# Altium PCB PCB_3U_DDS.PcbDoc (part 6 of 12)
Units mil, origin at the board's own origin, x right, y up, seen from the top; angles counter-clockwise.
Board outline 6338.37 x 3937 mil, 6 copper layers (L1, P2, L3, L4, P5, L6), stack 64.885 mil thick; 954 components, 537 nets, 3358 pads, 2342 vias.
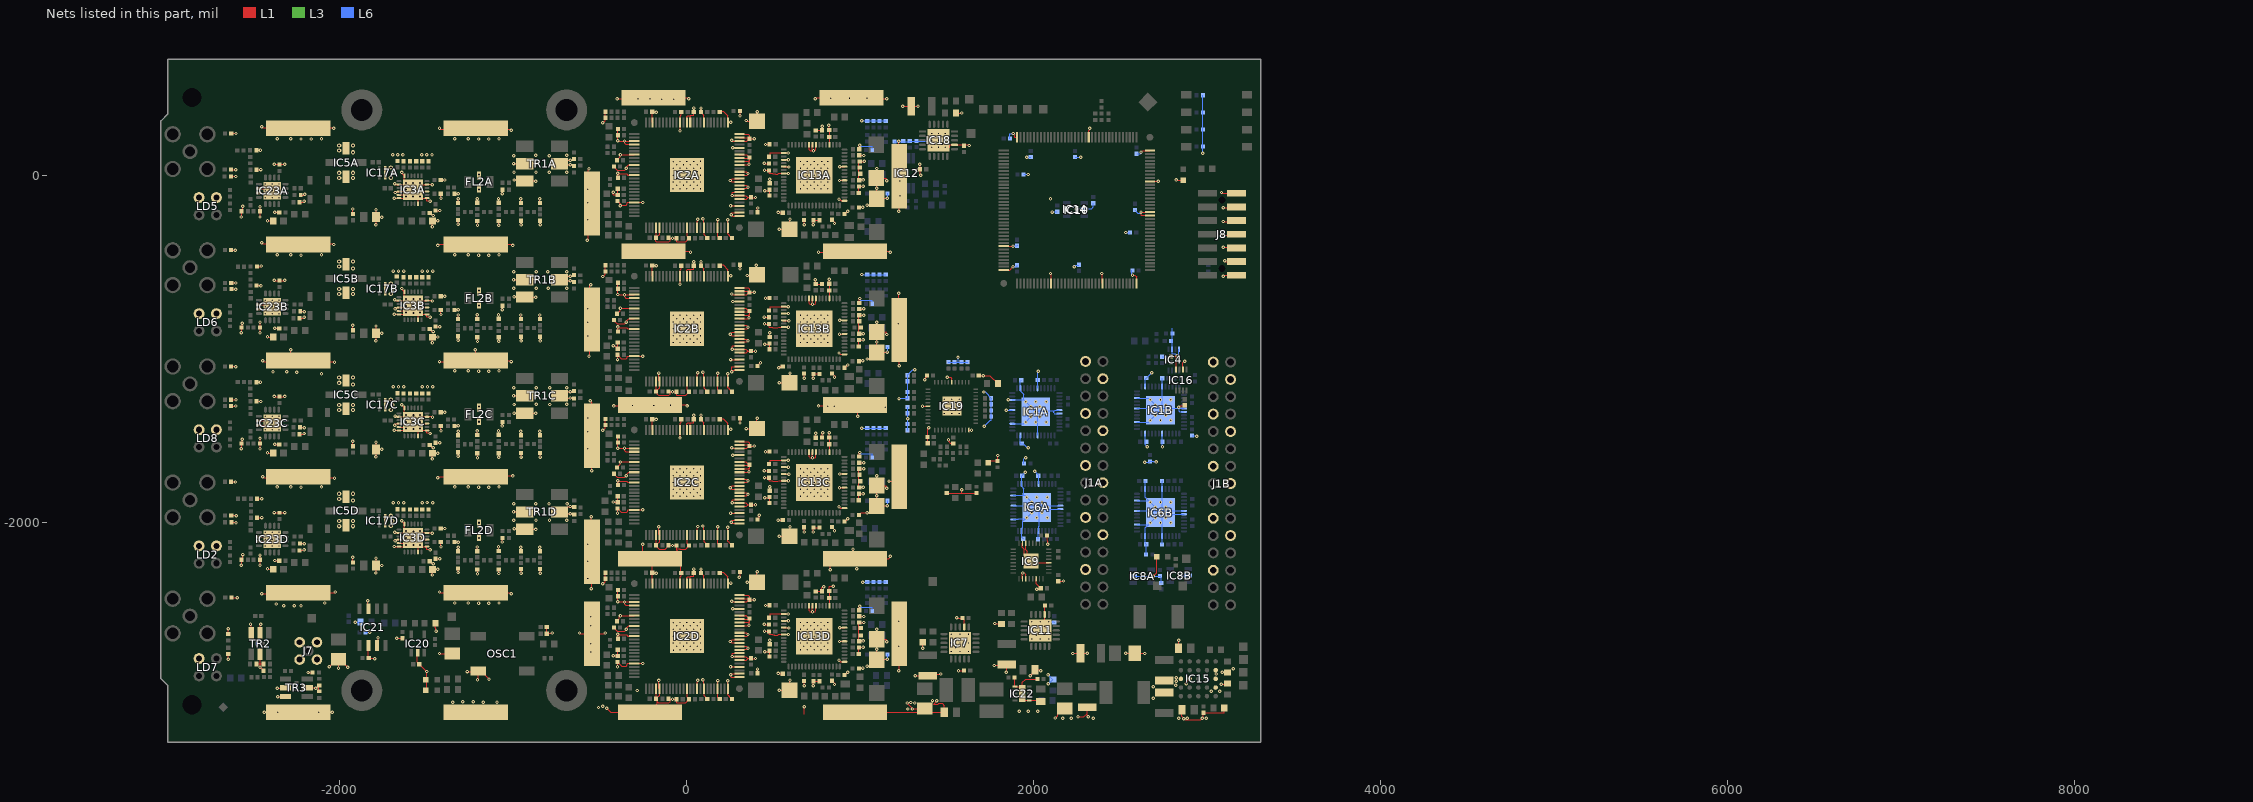
[diagram p10: the nets of this part, all layers, seen from the top]

## Via types
v1: diameter 19.68, hole 7.87, L1 to L6, tented both sides, 2254 vias
v2: diameter 23.62, hole 11.81, L1 to L6, tented both sides, 88 vias

## Nets (pads, with @x,y where several pads share a name; then routed paths per layer and width w, separated by ;. In a path a pad name is that pad's centre, name@x,y a point inside that pad or via, vN(x,y) a via of type N, cw(c..) or ccw(c..) an arc to the next point about the centre after c; other vN are vias at no path point) (continued)
GND: (continued)
  L1 w5.98: v1(-2643.7,-2791.44) C42.1@-2643.7,-2759.94 ; R6.1@-2643.7,-2644.98 v1(-2643.7,-2614.28) ; C25.1@-2628.08,32.22 -2602.13,32.22 v1(-2600.13,30.21) ; C35.2@-2627.41,-1767.79 -2603.13,-1767.79 v1(-2602.13,-1768.79) ; C33.2@-2627.41,-1294.79 -2600.13,-1294.79 v1(-2599.13,-1295.79) ; C34.1@-2627.41,-1102.79 -2601.13,-1102.79 -2600.63,-1103.29 -2600.13,-1103.79 v1(-2601.13,-1103.79) ; C31.2@-2627.41,-431.79 -2604.13,-431.79 v1(-2603.13,-432.79) ; R64.1@-2627.29,-7.15 -2600.76,-7.15 v1(-2600.13,-7.79) ; C32.1@-2626.84,-621.07 -2601.84,-621.07 v1(-2601.13,-621.79) ; R74.1@-2626.62,-1330.79 v1(-2601.13,-1330.79) ; C41.1@-2626.41,-1961.78 -2600.13,-1961.78 v1(-2598.13,-1963.79) ; C11.2@-2626.41,240.21 v1(-2599.13,240.21) ; R65.1@-2626.06,-656.5 -2601.41,-656.5 v1(-2600.13,-657.79) ; R75.1@-2625.62,-2001.15 -2600.76,-2001.15 v1(-2599.13,-2002.79) ; C37.2@-2625.41,-2434.79 -2592.13,-2434.79 v1(-2591.13,-2435.79) ; v1(-2568.89,-2249.12) -2566.73,-2246.95 R18D.1@-2566.73,-2219.59 ; v1(-2568.9,-1576.87) -2566.73,-1574.71 R18C.1@-2566.73,-1547.34 ; v1(-2568.9,-907.58) -2566.73,-905.42 R18B.1@-2566.73,-878.05 ; v1(-2568.89,-241.25) -2566.73,-239.08 R18A.1@-2566.73,-211.72 ; v1(-2562.01,-1522.74) -2562.01,-1546.56 R18C.1@-2561.22,-1547.35 ; v1(-2562.01,-853.45) -2562.01,-877.27 R18B.1@-2561.22,-878.06 ; R18D.1@-2561.22,-2219.59 -2562.01,-2218.81 -2559.06,-2215.86 v1(-2559.06,-2187.11) ; R18A.1@-2561.22,-211.72 -2562.01,-210.93 -2559.06,-207.98 v1(-2559.06,-179.24) ; v1(-2515.33,-2588.82) -2510.62,-2593.52 TR2.1@-2510.62,-2637.3 ; R4A.1@-2481.62,143.21 v1(-2458.13,143.21) ; C69.1@-2480.7,-2818.01 -2460.62,-2818.01 ; R4C.1@-2480.62,-1193.79 -2459.13,-1193.79 v1(-2458.13,-1194.79) ; R3C.1@-2479.62,-1303.79 -2460.13,-1303.79 -2459.13,-1304.79 v1(-2456.13,-1304.79) ; R3B.1@-2479.62,-636.79 -2478.62,-635.79 -2456.13,-635.79 v1(-2455.13,-636.79) ; R3A.1@-2479.62,31.21 -2478.62,32.21 v1(-2456.13,32.21) ; R4B.1@-2477.62,-526.79 -2457.13,-526.79 v1(-2454.13,-523.79) ; R3D.1@-2476.62,-1974.79 -2451.13,-1974.79 v1(-2450.13,-1973.79) ; R4D.1@-2476.62,-1865.79 v1(-2450.13,-1865.79) ; IC23D.11@-2467.38,-2110.91 -2429.98,-2110.91 -2403.4,-2110.91 v1(-2390.61,-2098.11) -2403.4,-2085.32 -2429.98,-2085.32 IC23D.10@-2467.38,-2085.32 ; IC23C.11@-2467.38,-1441.62 -2429.98,-1441.62 -2403.4,-1441.62 v1(-2390.61,-1428.82) -2403.4,-1416.03 -2429.98,-1416.03 IC23C.10@-2467.38,-1416.03 ; IC23B.11@-2467.38,-772.33 -2429.98,-772.33 IC23B.17@-2403.4,-772.33 ; IC23B.10@-2467.38,-746.74 -2429.98,-746.74 -2403.4,-746.74 v1(-2390.61,-759.53) ; IC23A.11@-2467.38,-103.03 -2429.98,-103.03 -2403.4,-103.03 v1(-2390.61,-90.24) -2403.4,-77.44 -2429.98,-77.44 IC23A.10@-2467.38,-77.44 ; TR2.5@-2460.62,-2762.5 -2460.62,-2818.01 ; TR2.2@-2460.62,-2637.3 -2460.62,-2593.17 v1(-2456.27,-2588.82) ; v1(-2460.63,-2249.12) -2460.63,-2216.64 -2460.63,-2199.51 v1(-2460.63,-2190.07) ; v1(-2460.63,-1576.87) R19C.1@-2460.63,-1547.34 -2460.63,-1527.26 v1(-2460.63,-1517.82) ; v1(-2460.63,-907.58) R19B.1@-2460.63,-878.05 v1(-2460.63,-848.53) ; v1(-2460.63,-241.25) -2460.63,-208.76 -2460.63,-191.63 v1(-2460.63,-182.19) ; v1(-2449.66,-2413.07) -2245.65,-2413.07 CLIP19.1@-2240.16,-2407.58 -2030.78,-2407.58 v1(-2026.43,-2403.23) ; v1(-2449.66,-389.87) -2444.17,-395.36 -2240.16,-395.36 -2040.63,-395.36 v1(-2036.27,-399.71) ; v1(-2449.66,279.43) -2444.17,273.93 -2240.16,273.93 -2040.63,273.93 v1(-2036.27,269.58) ; v1(-2444.64,-1738.29) -2439.15,-1743.78 CLIP16.1@-2362.2,-1743.78 ; v1(-2444.64,-1069) -2439.15,-1074.49 -2240.16,-1074.49 -2035.61,-1074.49 v1(-2031.26,-1078.84) ; C80.2@-2440.54,-2818.01 -2460.62,-2818.01 ; R81.1@-2439.76,-2857.38 v1(-2460.62,-2836.51) -2460.62,-2818.01 ; v1(-2417.32,-2269.79) -2415.36,-2271.75 C39D.1@-2383.86,-2271.75 ; v1(-2417.32,-1600.5) -2415.36,-1602.46 C39C.1@-2383.86,-1602.46 ; v1(-2417.32,-931.2) -2415.36,-933.17 C39B.1@-2383.86,-933.17 ; v1(-2417.32,-261.91) -2415.36,-263.88 C39A.1@-2383.86,-263.88 ; v1(-2377.95,-1944.98) -2376.77,-1946.17 R138D.1@-2348.43,-1946.17 -2320.08,-1946.17 v1(-2318.9,-1944.98) ; v1(-2377.95,-1275.69) -2376.77,-1276.87 R138C.1@-2348.43,-1276.87 -2320.08,-1276.87 v1(-2318.9,-1275.69) ; v1(-2377.95,-606.4) -2376.77,-607.58 R138B.1@-2348.43,-607.58 -2320.08,-607.58 v1(-2318.9,-606.4) ; v1(-2377.95,62.89) -2376.77,61.71 R138A.1@-2348.43,61.71 -2320.08,61.71 v1(-2318.9,62.89) ; v1(-2375.01,-2221.56) -2375.99,-2222.54 -2375.01,-2222.54 C40D.1@-2349.41,-2222.54 ; v1(-2375.01,-1552.27) -2375.99,-1553.25 -2375.01,-1553.25 C40C.1@-2349.41,-1553.25 ; v1(-2375.01,-882.98) -2375.99,-883.96 -2375.01,-883.96 C40B.1@-2349.41,-883.96 ; v1(-2375.01,-213.69) -2375.99,-214.67 -2375.01,-214.67 C40A.1@-2349.41,-214.67 ; v1(-2360.61,-2957.24) -2315.6,-2957.24 TR3.2@-2312.99,-2954.63 ; v1(-2358.61,-3006.24) -2314.6,-3006.24 TR3.1@-2312.99,-3004.63 ; v1(-2283.46,-1006.01) -2283.46,-1025.69 CLIP24.1@-2240.16,-1069 ; C38D.2@-2232.28,-2163.48 v1@-2210.68,-2163.48 ; C38C.2@-2232.28,-1494.19 v1@-2210.68,-1494.19 ; C38B.2@-2232.28,-824.9 v1@-2210.68,-824.9 ; C38A.2@-2232.28,-155.61 v1@-2210.68,-155.61 ; R20D.1@-2230.37,-2122.92 -2207.89,-2122.92 v1(-2205.71,-2125.1) ; R20C.1@-2230.37,-1453.63 -2207.89,-1453.63 v1(-2205.71,-1455.81) ; R20B.1@-2230.37,-784.33 -2228.62,-784.33 -2207.89,-784.33 v1(-2205.71,-786.52) ; R20A.1@-2230.37,-115.04 -2225.62,-115.04 -2206.38,-115.04 v1(-2202.13,-110.79) ; TR3.5@-2187.8,-2954.63 -2142.63,-2954.63 v1(-2139.82,-2957.44) -2123.03,-2940.65 -2122.44,-2941.24 -2122.44,-2941.53 C191.1@-2122.44,-2974.71 ; v1(-2183.61,-2867.24) R45.1@-2158.27,-2867.23 ; CLIP16.1@-2106.3,-1743.78 -2035.61,-1743.78 v1(-2031.26,-1748.13) ; v1(-2061.13,-2834.79) -2047.13,-2820.79 -2047.13,-2816.79 -2033.22,-2816.79 C155.2@-2007.87,-2791.44 ; v1(-2008.13,-2842.79) -2007.87,-2842.54 C155.2@-2007.87,-2791.44 ; v1(-1954.13,-2837.79) -2000.47,-2791.44 C155.2@-2007.87,-2791.44 ; v1(-1926.18,-2202.86) -1926.18,-2231.4 C27D.1@-1925.2,-2232.39 ; v1(-1926.18,-1533.57) -1926.18,-1562.11 C27C.1@-1925.2,-1563.09 ; v1(-1926.18,-864.28) -1926.18,-892.82 C27B.1@-1925.2,-893.8 ; v1(-1926.18,-194.98) -1926.18,-223.53 C27A.1@-1925.2,-224.51 ; v1(-1839.42,-2452.44) -1839.42,-2495.29 IC21.3@-1836.02,-2498.69 ; IC21.6@-1836.02,-2711.28 -1836.02,-2781.21 C174.1@-1833.67,-2783.57 -1803.58,-2783.57 v1(-1800.05,-2787.09) ; v1(-1792.32,-2293.41) -1788.39,-2289.47 -1791.34,-2286.52 C12D.1@-1791.34,-2250.1 ; v1(-1792.32,-1624.12) -1788.39,-1620.18 -1791.34,-1617.23 C12C.1@-1791.34,-1580.81 ; v1(-1792.32,-954.83) -1788.39,-950.89 -1791.34,-947.94 C12B.1@-1791.34,-911.52 ; v1(-1792.32,-285.54) -1788.39,-281.6 -1791.34,-278.65 C12A.1@-1791.34,-242.23 ; v1(-1791.83,-2208.27) -1794.29,-2210.73 -1791.34,-2213.69 C12D.1@-1791.34,-2250.1 ; v1(-1791.83,-1538.98) -1794.29,-1541.44 -1791.34,-1544.39 C12C.1@-1791.34,-1580.81 ; v1(-1791.83,-869.69) -1794.29,-872.15 -1791.34,-875.1 C12B.1@-1791.34,-911.52 ; v1(-1791.83,-200.4) -1794.29,-202.86 -1791.34,-205.81 C12A.1@-1791.34,-242.23 ; IC21.7@-1786.02,-2711.28 -1780.37,-2705.63 v1(-1780.37,-2666.01) ; v1(-1757.87,-2250.1) C12D.1@-1791.34,-2250.1 ; v1(-1757.87,-1580.81) C12C.1@-1791.34,-1580.81 ; v1(-1757.87,-911.52) C12B.1@-1791.34,-911.52 ; v1(-1757.87,-242.23) C12A.1@-1791.34,-242.23 ; v1@-1688.58,-2105.81 v1@-1687.99,-2106.4 ; v1@-1688.13,-2059.79 -1687.13,-2060.79 -1685.8,-2062.11 -1684.13,-2062.11 IC3D.14@-1659.45,-2062.11 -1637.31,-2062.11 ; v1(-1687.01,-2140.85) IC3D.18@-1659.45,-2140.85 -1627.95,-2140.85 v2(-1618.11,-2131.01) IC3D.25@-1608.27,-2121.17 ; v1(-1687.01,-1471.56) IC3C.18@-1659.45,-1471.56 -1627.95,-1471.56 v2(-1618.11,-1461.72) IC3C.25@-1608.27,-1451.87 ; v1(-1687.01,-802.27) IC3B.18@-1659.45,-802.27 -1627.95,-802.27 v2(-1618.11,-792.43) IC3B.25@-1608.27,-782.58 ; v1(-1687.01,-132.98) IC3A.18@-1659.45,-132.98 -1627.95,-132.98 v2(-1618.11,-123.13) IC3A.25@-1608.27,-113.29 ; v1@-1686.85,-1438.26 -1683.32,-1441.79 v1(-1683.13,-1441.79) -1683.13,-1436.24 -1685.13,-1434.24 -1684.06,-1433.17 -1683.13,-1433.17 -1660.43,-1433.17 IC3C.16@-1659.45,-1432.19 -1618.11,-1432.19 IC3C.25@-1588.58,-1432.19 ; v1(-1683.13,-717.79) -1677.39,-723.53 IC3B.14@-1659.45,-723.53 -1637.31,-723.53 ; v1(-1683.13,-48.79) -1677.68,-54.24 IC3A.14@-1659.45,-54.24 -1637.31,-54.24 ; v1(-1682.13,-2107.79) -1686.61,-2107.79 v1@-1687.99,-2106.4 ; v1(-1682.13,-1388.79) -1682.4,-1388.79 -1682.26,-1388.65 -1679.26,-1385.65 -1679.13,-1385.79 -1677.13,-1387.79 -1677.13,-1388.79 -1677.13,-1392.82 IC3C.14@-1659.45,-1392.82 -1637.31,-1392.82 ; v1(-1682.13,-770.79) -1684.67,-770.79 -1686.67,-768.79 -1686.85,-768.96 -1687.99,-767.82 -1686.54,-766.37 -1684.06,-763.88 -1682.13,-763.88 -1660.43,-763.88 IC3B.16@-1659.45,-762.9 -1618.11,-762.9 IC3B.25@-1588.58,-762.9 ; v1(-1681.13,-99.79) -1682.96,-99.79 -1684.96,-97.79 -1686.85,-99.67 -1687.99,-98.53 -1685.19,-95.72 -1684.06,-94.59 -1681.13,-94.59 -1660.43,-94.59 IC3A.16@-1659.45,-93.61 -1618.11,-93.61 IC3A.25@-1588.58,-93.61 ; v1(-1672.1,-2668.98) -1671.69,-2669.39 C173.1@-1638.57,-2669.39 ; IC3D.17@-1659.45,-2121.17 -1618.11,-2121.17 IC3D.25@-1608.27,-2121.17 ; IC3C.17@-1659.45,-1451.87 -1618.11,-1451.87 IC3C.25@-1608.27,-1451.87 ; IC3B.17@-1659.45,-782.58 -1618.11,-782.58 IC3B.25@-1608.27,-782.58 ; IC3A.17@-1659.45,-113.29 -1618.11,-113.29 IC3A.25@-1608.27,-113.29 ; v1(-1642.72,-1992.23) -1642.72,-1996.17 IC3D.12@-1627.95,-2010.93 -1627.95,-2042.43 v2(-1618.11,-2052.27) IC3D.25@-1578.74,-2091.64 IC3D.25@-1577.75,-2092.63 ; v1(-1642.72,-1322.94) -1642.72,-1326.87 IC3C.12@-1627.95,-1341.64 -1627.95,-1373.13 v2(-1618.11,-1382.98) IC3C.25@-1578.74,-1422.35 IC3C.25@-1577.74,-1423.34 ; v1(-1642.72,-653.65) -1642.72,-657.58 IC3B.12@-1627.95,-672.35 -1627.95,-703.84 v2(-1618.11,-713.69) IC3B.25@-1578.74,-753.06 IC3B.25@-1577.74,-754.05 ; v1(-1642.72,15.65) -1642.72,11.71 IC3A.12@-1627.95,-3.06 -1627.95,-34.55 v2(-1618.11,-44.39) v2(-1578.74,-83.76) ; IC20.2@-1551.18,-2753.19 -1553.99,-2756 -1553.99,-2807.13 C171.1@-1542.12,-2819 v1(-1499.8,-2861.32) -1499.8,-2909.55 LD1.1@-1499.8,-2964.46 ; IC3D.23@-1549.21,-2172.35 -1549.21,-2131.01 -1549.21,-2121.17 -1574.81,-2095.57 v2(-1574.81,-2092.63) ; IC3C.23@-1549.21,-1503.06 -1549.21,-1461.72 -1549.21,-1451.87 -1574.81,-1426.28 v2(-1574.81,-1423.34) ; IC3B.23@-1549.21,-833.76 -1549.21,-792.43 -1549.21,-782.58 -1574.81,-756.99 v2(-1574.81,-754.05) ; IC3A.23@-1549.21,-164.47 -1549.21,-123.13 -1549.21,-113.29 v2(-1578.74,-83.76) ; -1520.17,-2140.85 IC3D.1@-1498.03,-2140.85 -1498.03,-2155.12 -1483.77,-2155.12 v1(-1480.32,-2158.57) ; -1520.17,-2101.48 IC3D.3@-1498.03,-2101.48 ; -1520.17,-1471.56 IC3C.1@-1498.03,-1471.56 -1498.03,-1485.83 -1483.77,-1485.83 v1(-1480.32,-1489.28) ; -1520.17,-1432.19 IC3C.3@-1498.03,-1432.19 ; -1520.17,-802.27 IC3B.1@-1498.03,-802.27 -1498.03,-816.53 -1483.77,-816.53 v1(-1480.32,-819.98) ; -1520.17,-762.9 IC3B.3@-1498.03,-762.9 ; -1520.17,-132.98 IC3A.1@-1498.03,-132.98 -1498.03,-147.24 -1483.77,-147.24 v1(-1480.32,-150.69) ; -1520.17,-93.61 IC3A.3@-1498.03,-93.61 ; C23D.1@-1482.28,-2225.5 -1481.3,-2225.5 v1@-1466.54,-2240.26 ; C23C.1@-1482.28,-1556.2 -1481.3,-1556.2 v1@-1466.54,-1570.97 ; C23B.1@-1482.28,-886.91 -1481.3,-886.91 v1@-1466.54,-901.68 ; C23A.1@-1482.28,-217.62 -1481.3,-217.62 v1@-1466.54,-232.39 ; v1(-1466.83,-2063.57) -1470.3,-2067.04 -1471.13,-2067.04 -1468.33,-2064.25 -1472.44,-2060.14 -1496.06,-2060.14 IC3D.5@-1498.03,-2062.11 -1539.37,-2062.11 -1549.21,-2062.11 -1574.81,-2087.71 -1574.81,-2091.64 v2(-1574.81,-2092.63) ; v1(-1466.83,-55.69) -1467.65,-55.69 -1468.33,-56.38 -1472.44,-52.27 -1496.06,-52.27 IC3A.5@-1498.03,-54.24 -1539.37,-54.24 -1549.21,-54.24 v2(-1578.74,-83.76) ; v1(-1466.57,-725.24) -1466.57,-725.01 -1467.13,-724.46 -1467.24,-724.57 -1468.33,-725.67 -1472.44,-721.56 -1496.06,-721.56 IC3B.5@-1498.03,-723.53 -1539.37,-723.53 -1549.21,-723.53 -1574.81,-749.12 -1574.81,-753.06 v2(-1574.81,-754.05) ; v1(-1466.54,-2305.22) C21D.1@-1466.54,-2272.74 -1465.55,-2271.76 v1(-1435.04,-2271.76) ; v1(-1466.54,-1635.93) C21C.1@-1466.54,-1603.45 -1465.55,-1602.46 v1(-1435.04,-1602.46) ; v1(-1466.54,-966.64) C21B.1@-1466.54,-934.16 -1465.55,-933.17 v1(-1435.04,-933.17) ; v1(-1466.54,-297.35) C21A.1@-1466.54,-264.87 -1465.55,-263.88 v1(-1435.04,-263.88) ; v1(-1466.13,-1394.79) -1467.14,-1394.79 -1467.65,-1394.28 -1468.33,-1394.96 -1472.44,-1390.85 -1496.06,-1390.85 IC3C.5@-1498.03,-1392.82 -1539.37,-1392.82 -1549.21,-1392.82 -1574.81,-1418.42 -1574.81,-1422.35 v2(-1574.81,-1423.34) ; v1@-1464.51,-2242.28 v1@-1466.54,-2240.26 ; v1@-1464.51,-1572.99 v1@-1466.54,-1570.97 ; v1@-1464.51,-903.7 v1@-1466.54,-901.68 ; v1@-1464.51,-234.41 v1@-1466.54,-232.39 ; v1(-1461.61,-2240.26) v1@-1466.54,-2240.26 ; v1(-1461.61,-1570.97) v1@-1466.54,-1570.97 ; v1(-1461.61,-901.68) v1@-1466.54,-901.68 ; v1(-1461.61,-232.39) v1@-1466.54,-232.39 ; R132.1@-1449.6,-2582.78 -1449.6,-2610.34 -1447.63,-2612.31 -1447.63,-2627.7 v1(-1445.72,-2629.61) ; C22D.1@-1448.82,-2211.72 v1(-1424.21,-2211.72) ; C22C.1@-1448.82,-1542.43 v1(-1424.21,-1542.43) ; C22B.1@-1448.82,-873.13 v1(-1424.21,-873.13) ; C22A.1@-1448.82,-203.84 v1(-1424.21,-203.84) ; v1(-1435.88,-1743.78) -1430.39,-1738.29 CLIP17.1@-1216.54,-1738.29 -1212.19,-1733.94 v1(-1002.81,-1733.94) ; v1(-1435.88,-405.2) -1430.39,-399.71 CLIP22.1@-1216.54,-399.71 -1008.3,-399.71 v1(-1002.81,-405.2) ; v1(-1426.04,-2757.56) -1425.62,-2757.98 C79.2@-1353.14,-2757.98 ; v1(-1426.04,-2403.23) -1421.69,-2407.58 CLIP8.1@-1216.54,-2407.58 -1018.14,-2407.58 v1(-1012.65,-2413.07) ; v1(-1426.04,-1074.49) CLIP25.1@-1222.03,-1074.49 ; v1(-1426.04,269.58) -1420.55,264.09 -1216.54,264.09 -1017,264.09 v1(-1012.65,259.74) ; C24D.1@-1419.29,-2115.26 -1417.32,-2117.23 v1(-1417.32,-2141.83) ; C14D.1@-1419.29,-2036.52 -1396.39,-2036.52 v1(-1396.13,-2036.79) ; C24C.1@-1419.29,-1445.97 -1417.32,-1447.94 v1(-1417.32,-1472.54) ; C14C.1@-1419.29,-1367.23 -1395.57,-1367.23 v1(-1395.13,-1366.79) ; C24B.1@-1419.29,-776.68 -1417.32,-778.65 v1(-1417.32,-803.25) ; C14B.1@-1419.29,-697.94 -1396.28,-697.94 v1(-1396.13,-697.79) ; C24A.1@-1419.29,-107.39 -1417.32,-109.35 v1(-1417.32,-133.96) ; C14A.1@-1419.29,-28.65 -1396.98,-28.65 v1(-1396.13,-27.79) ; R58D.2@-1339.76,-2115.26 -1339.24,-2115.79 v1(-1317.13,-2115.79) ; R58C.2@-1339.76,-1445.97 -1338.58,-1444.79 v1(-1317.13,-1444.79) ; R58B.2@-1339.76,-776.68 -1338.87,-775.79 v1(-1317.13,-775.79) ; R58A.2@-1339.76,-107.39 -1339.17,-106.79 v1(-1317.13,-106.79) ; v1(-1318.9,-2290.46) C202D.2@-1318.9,-2266.83 ; C207D.1@-1318.9,-2168.41 -1318.9,-2145.77 v1(-1317.91,-2144.79) ; v1(-1318.9,-1621.17) C202C.2@-1318.9,-1597.54 ; C207C.1@-1318.9,-1499.12 -1318.9,-1476.48 v1(-1317.91,-1475.5) ; v1(-1318.9,-951.87) C202B.2@-1318.9,-928.25 ; C207B.1@-1318.9,-829.83 -1318.9,-807.19 v1(-1317.91,-806.2) ; v1(-1318.9,-282.58) C202A.2@-1318.9,-258.96 ; C207A.1@-1318.9,-160.54 -1318.9,-137.9 v1(-1317.91,-136.91) ; v1(-1265.49,-2861.58) -1206.56,-2861.58 OSC1.2@-1202.95,-2857.98 ; v1(-1220.47,-1006.01) -1216.54,-1009.94 CLIP25.1@-1216.54,-1069 -1018.14,-1069 v1(-1012.65,-1074.49) ; v1(-1208.66,-2143.8) -1208.66,-2166.44 C180D.2@-1207.67,-2167.43 ; v1(-1208.66,-1474.51) -1208.66,-1497.15 C180C.2@-1207.67,-1498.14 ; v1(-1208.66,-805.22) -1208.66,-827.86 C180B.2@-1207.67,-828.84 ; v1(-1208.66,-135.93) -1208.66,-158.57 C180A.2@-1207.67,-159.55 ; C206D.1@-1207.67,-2272.74 -1206.69,-2273.72 v1(-1206.69,-2297.35) ; C206C.1@-1207.67,-1603.45 -1206.69,-1604.43 v1(-1206.69,-1628.06) ; C206B.1@-1207.67,-934.16 -1206.69,-935.14 v1(-1206.69,-958.76) ; C206A.1@-1207.67,-264.87 -1206.69,-265.85 v1(-1206.69,-289.47) ; v1(-1206.69,-2909.55) -1202.95,-2905.81 OSC1.2@-1202.95,-2857.98 ; v1@-1144.52,-2901.28 -1187.83,-2857.98 OSC1.2@-1202.95,-2857.98 ; C205D.1@-1085.63,-2165.46 v1(-1085.63,-2142.82) ; C205C.1@-1085.63,-1496.16 v1(-1085.63,-1473.53) ; C205B.1@-1085.63,-826.87 v1(-1085.63,-804.24) ; C205A.1@-1085.63,-157.58 v1(-1085.63,-134.94) ; v1(-1083.66,-2296.37) C176D.2@-1083.66,-2273.73 ; v1(-1083.66,-1627.08) C176C.2@-1083.66,-1604.44 ; v1(-1083.66,-957.78) C176B.2@-1083.66,-935.15 ; v1(-1083.66,-288.49) C176A.2@-1083.66,-265.86 ; v1(-1063.13,-2114.79) -1062.76,-2114.42 R57D.2@-1062.76,-2091.56 ; v1(-1063.13,-1445.79) -1062.76,-1445.42 R57C.2@-1062.76,-1422.27 ; v1(-1063.13,-776.79) -1062.76,-776.42 R57B.2@-1062.76,-752.98 ; v1(-1063.13,-106.79) -1062.76,-106.42 R57A.2@-1062.76,-83.69 ; v1(-999.02,-1941.05) -998.5,-1941.56 TR1D.2@-934.25,-1941.56 -932.76,-1940.06 v1(-869.09,-1940.06) ; v1(-999.02,-1271.76) -998.5,-1272.27 TR1C.2@-934.25,-1272.27 -932.76,-1270.77 v1(-869.09,-1270.77) ; v1(-999.02,-602.46) -998.5,-602.98 TR1B.2@-934.25,-602.98 -932.76,-601.48 v1(-869.09,-601.48) ; v1(-999.02,66.83) -998.5,66.31 TR1A.2@-934.25,66.31 -932.76,67.81 v1(-869.09,67.81) ; v1(-996.13,-1372.79) -937.43,-1372.79 -936.1,-1374.12 TR1C.3@-934.25,-1372.27 -871.93,-1372.27 v1(-871.06,-1373.13) ; v1(-996.13,-700.79) -940.14,-700.79 -936.1,-704.83 TR1B.3@-934.25,-702.98 -871.93,-702.98 v1(-871.06,-703.84) ; v1(-996.13,-27.79) -943.85,-27.79 -936.1,-35.54 TR1A.3@-934.25,-33.69 -871.93,-33.69 v1(-871.06,-34.55) ; v1(-995.97,-2037.44) -942.07,-2037.44 -936.1,-2043.41 TR1D.3@-934.25,-2041.56 -871.93,-2041.56 v1(-871.06,-2042.43) ; C172D.2@-957.68,-2167.42 v1(-957.68,-2144.79) ; C172C.2@-957.68,-1498.13 v1(-957.68,-1475.49) ; C172B.2@-957.68,-828.84 v1(-957.68,-806.2) ; C172A.2@-957.68,-159.55 v1(-957.68,-136.91) ; v1(-955.71,-2294.4) C204D.1@-955.71,-2271.76 ; v1(-955.71,-1625.1) C204C.1@-955.71,-1602.47 ; v1(-955.71,-955.81) C204B.1@-955.71,-933.18 ; v1(-955.71,-286.52) C204A.1@-955.71,-263.88 ; C203D.1@-847.44,-2167.42 v1(-847.44,-2144.79) ; C203C.1@-847.44,-1498.13 v1(-847.44,-1475.49) ; C203B.1@-847.44,-828.84 v1(-847.44,-806.2) ; C203A.1@-847.44,-159.55 v1(-847.44,-136.91) ; v1(-845.47,-2294.4) C164D.2@-845.47,-2271.76 ; v1(-845.47,-1625.1) C164C.2@-845.47,-1602.47 ; v1(-845.47,-955.81) C164B.2@-845.47,-933.18 ; v1(-845.47,-286.52) C164A.2@-845.47,-263.88 ; C101.1@-807.09,-2604.43 C102.1@-807.09,-2643.8 -802.73,-2639.45 v1(-776.43,-2639.45) ; R38C.2@-653.54,-1285.73 -654.49,-1284.79 v1(-672.13,-1284.79) -719.84,-1284.79 -720.79,-1285.73 TR1C.5@-734.25,-1272.27 -705.98,-1244 -697.2,-1252.79 -692.2,-1247.79 v1(-672.13,-1247.79) -667.33,-1247.79 -662.33,-1252.79 R54C.2@-653.54,-1244 ; R38B.2@-653.54,-616.44 -661.2,-608.79 v1(-672.13,-608.79) -713.13,-608.79 -720.79,-616.44 TR1B.5@-734.25,-602.98 -705.98,-574.71 -697.91,-582.79 v1(-672.13,-582.79) -661.62,-582.79 R54B.2@-653.54,-574.71 ; R38A.2@-653.54,52.85 -660.45,59.76 -661,59.21 v1(-673.13,59.21) -713.33,59.21 -713.88,59.76 -720.79,52.85 TR1A.5@-734.25,66.31 -705.98,94.58 -697.61,86.21 v1(-673.13,86.21) -661.91,86.21 R54A.2@-653.54,94.58 ; R54D.2@-653.09,-1913.74 -656.6,-1910.24 v1(-672.6,-1910.24) -686.79,-1910.24 -697.91,-1921.36 -705.98,-1913.29 TR1D.5@-734.25,-1941.56 -717.57,-1958.24 -711.57,-1952.24 v1(-671.6,-1952.24) -656.33,-1952.24 -653.54,-1955.02 -649.32,-1955.02 R38D.2@-648.6,-1955.74 ; v1(-618.95,-2639.45) -614.6,-2643.8 CLIP2.1@-547.24,-2643.8 -475.67,-2643.8 v1(-471.31,-2639.45) ; v1(-574.09,-375.67) -569.74,-371.32 -569.74,-257.98 -569.74,-163.49 -569.74,-159.55 -569.74,-80.81 -569.74,32.22 v1(-564.25,37.71) ; v1(-564.25,-1044.96) -559.9,-1040.61 -559.9,-927.27 -559.9,-848.53 -559.9,-832.78 -559.9,-769.79 -559.9,-637.07 v1(-554.41,-631.58) ; v1(-557.09,-1300.87) -547.24,-1310.71 CLIP26.1@-547.24,-1502.07 v1(-547.24,-1704.41) ; v1(-550.05,-2383.55) -547.24,-2380.74 CLIP18.1@-547.24,-2171.36 -547.24,-2009.53 -550.05,-2006.72 v1(-550.05,-1970.16) -550.05,-1965.94 -547.24,-1963.13 v1@-547.24,-1970.16 ; v1(-485.02,-2356.09) -481.97,-2356.09 -469.69,-2343.8 C87D.1@-469.69,-2326.87 C26D.1@-469.69,-2291.44 ; v1(-485.02,-1470.26) -481.97,-1470.26 -469.69,-1457.98 C87C.1@-469.69,-1441.05 C26C.1@-469.69,-1405.61 ; v1(-485.02,-584.43) -481.97,-584.43 -469.69,-572.15 C87B.1@-469.69,-555.22 C26B.1@-469.69,-519.79 ; v1(-485.02,301.39) -481.97,301.39 -469.69,313.68 C87A.1@-469.69,330.61 C26A.1@-469.69,366.04 ; v1(-461.47,-3072.52) -437.43,-3096.56 CLIP20.1@-212.6,-3096.56 -212.6,-3088.69 -170.28,-3046.36 -170.28,-3035.57 